# KiCad board beaglebone-ai-rev-a2.kicad_pcb (continued)
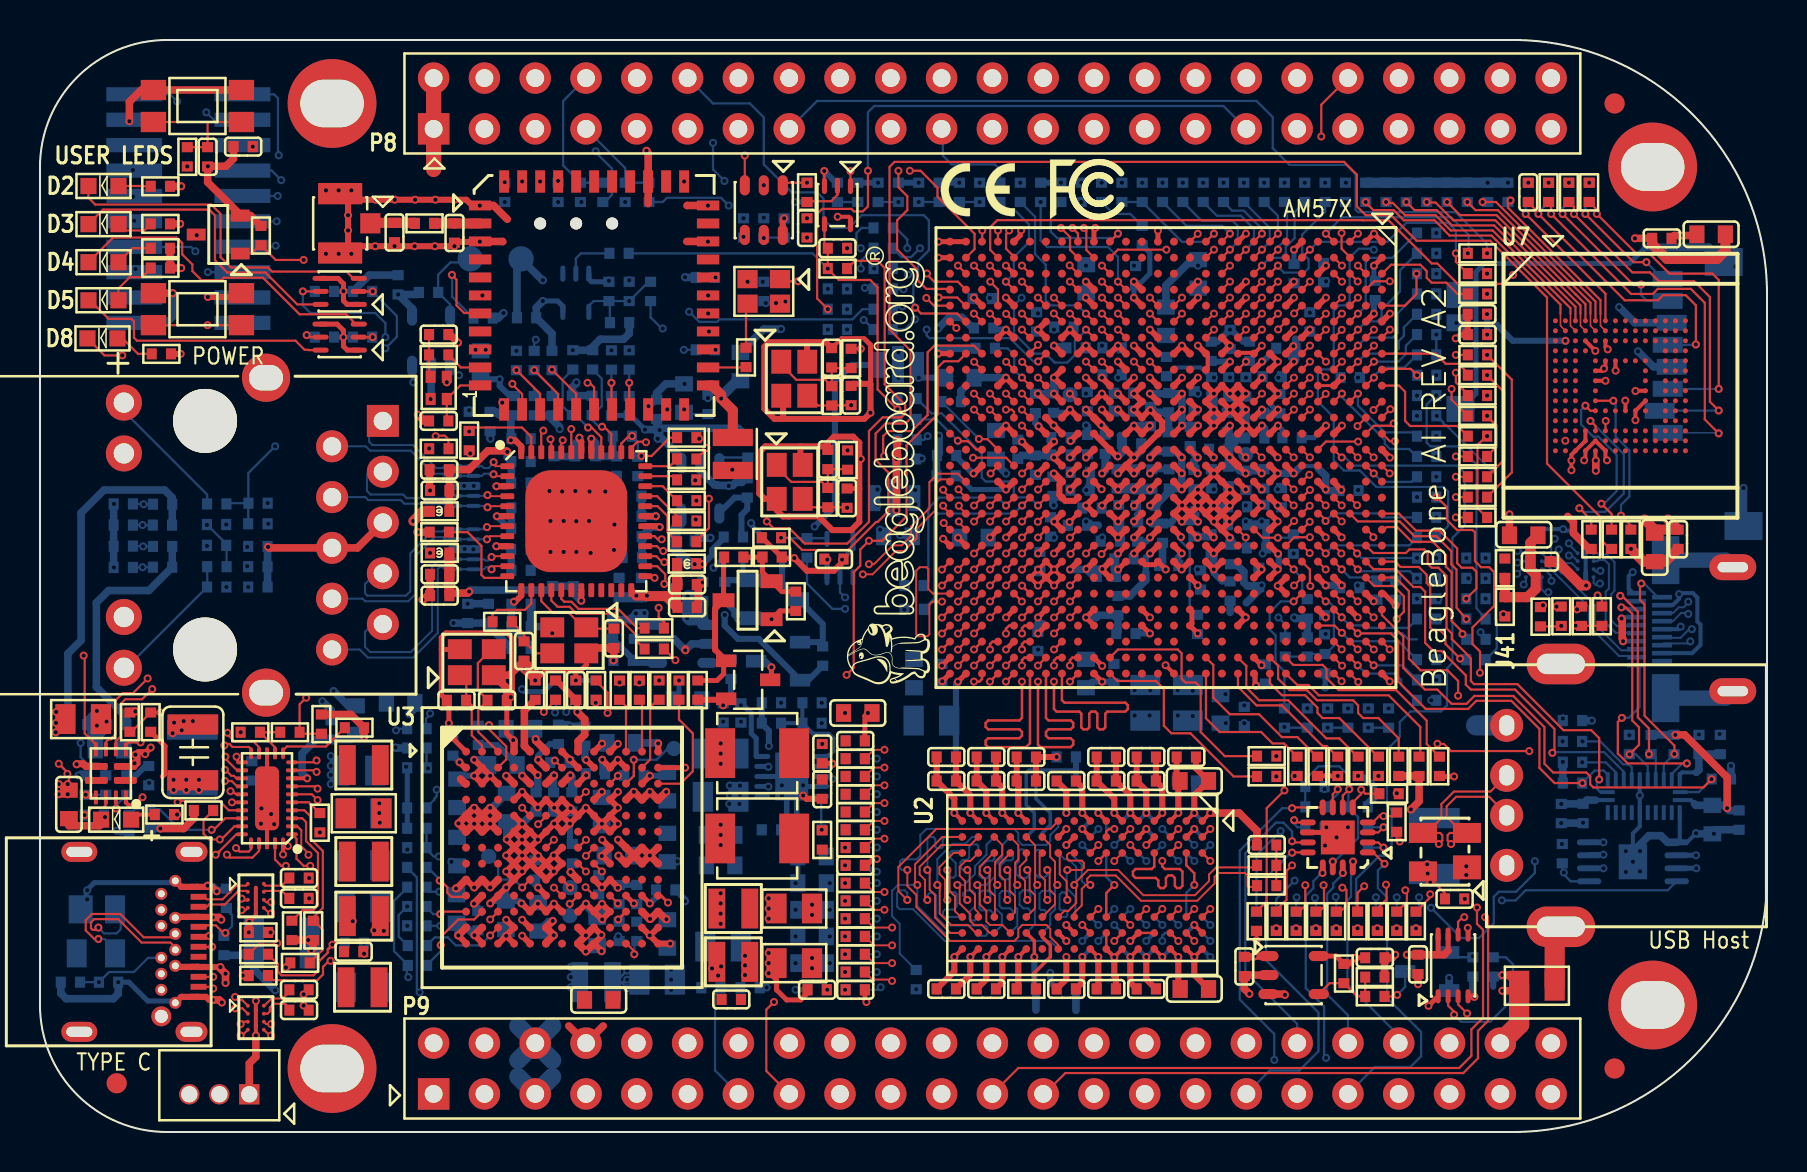
[diagram p0: board, top side]
## Placement (name value [footprint] x y rotation side) (continued)
R88  240R  [R0402]  49.32 17.55 180 bottom
R89  0R  [R0402]  43.36 35.64 0 bottom
R90  0R  [R0402]  43.36 36.68 0 bottom
R91  40.2K  [R0402]  37.8 26.54 270 top
R92  22R  [R0402]  42.16 45.21 0 bottom
R93  22R  [R0402]  42.16 44.2 0 bottom
R94  22R  [R0402]  42.16 43.18 0 bottom
R95  22R  [R0402]  42.16 42.16 0 bottom
R96  22R  [R0402]  42.16 41.15 0 bottom
R97  22R  [R0402]  42.16 40.13 0 bottom
R98  10K  [R0402]  43.36 34.62 0 bottom
R99  10K  [R0402]  43.33 33.66 0 bottom
R100  0R  [R0402]  45.57 36.53 180 bottom
R101  10K  [R0402]  43.7 27.32 0 bottom
R102  10K  [R0402]  43.71 26.14 0 bottom
R103  10K  [R0402]  29.84 10.03 90 bottom
R104  10K  [R0402]  29.7 17.83 0 bottom
R105  0R  [R0402#2]  23.11 25.51 0 top
R106  33R  [R0402#2]  32.34 30.56 180 top
R107  10K  [R0402]  28.96 11.87 90 bottom
R108  0R  [R0402]  28.98 22.1 90 top
R109  33R  [R0402#2]  32.34 31.57 180 top
R110  33R  [R0402#2]  32.34 32.61 180 top
R111  33R  [R0402#2]  32.34 33.66 180 top
R112  10K  [R0402]  47.27 39.19 0 bottom
R113  10K  [R0402]  27.94 12.36 270 bottom
R114  33R  [R0402#2]  32.34 29.51 180 top
R115  33R  [R0402#2]  32.34 34.72 180 top
R116  33R  [R0402#2]  30.72 25.2 180 top
R117  33R  [R0402#2]  30.72 24.16 180 top
R118  11K  [R0402#2]  19.97 30 180 top
R119  100K  [R0402]  28.64 25.15 90 bottom
R120  27.4K  [R0402]  29.16 23.58 0 bottom
R121  10K  [R0402]  26.8 22.1 90 bottom
R122  10K  [R0402]  34.56 23.14 270 bottom
R123  47R  [R0402#2]  40.77 14.22 0 top
R124  10K  [R0402]  25.78 22.1 270 bottom
R125  47R  [R0402]  40.77 18.67 180 bottom
R126  47R  [R0402]  40.77 14.22 180 bottom
R127  10K  [R0402]  35.39 34.21 90 bottom
R128  47R  [R0402]  40.77 15.11 180 bottom
R129  47R  [R0402#2]  40.77 8 0 top
R130  0R  [R0402]  21.92 19.84 270 bottom
R131  47R  [R0402]  40.77 12.45 180 bottom
R132  47R  [R0402#2]  40.77 16.89 0 top
R133  100K  [R0402]  34.67 29.76 180 bottom
R134  2.2K  [R0402]  50.04 46.99 270 bottom
R135  120K  [R0402]  35.37 32.21 270 bottom
R136  47R  [R0402#2]  40.77 15.11 0 top
R137  47R  [R0402#2]  40.77 16 0 top
R138  1K  [R0402]  8.84 27.25 180 bottom
R139  10K  [R0402]  43.81 7.62 90 bottom
R140  47R  [R0402]  40.77 7.11 180 bottom
R141  5.76K  [R0402]  21.46 35.53 90 bottom
R142  47R  [R0402#2]  40.77 11.56 0 top
R143  47R  [R0402]  40.77 8 180 bottom
R144  1K  [R0402]  8.84 31.41 180 bottom
R145  0R  [R0402]  18.87 8.33 180 bottom
R146  0R  [R0402]  18.87 9.32 180 bottom
R147  1K  [R0402]  18.85 10.31 180 bottom
R148  0R  [R0402]  18.85 11.28 180 bottom
R149  0R  [R0402]  18.85 12.24 180 bottom
R150  1K  [R0402]  18.85 15.19 180 bottom
R151  1K  [R0402]  18.85 14.22 180 bottom
R152  0R  [R0402]  18.85 13.23 0 bottom
R153  1K  [R0402]  8.85 28.27 180 bottom
R154  2.49K  [R0402]  21.46 34.58 90 top
R155  10K  [R0402]  18.85 18.21 180 bottom
R156  10K  [R0402]  18.85 19.2 180 bottom
R157  10K  [R0402]  18.85 16.21 180 bottom
R158  5.76K  [R0402]  8.83 29.34 180 bottom
R159  0R  [R0402]  18.85 20.17 180 bottom
R160  47R  [R0402#2]  40.77 12.45 0 top
R161  47R  [R0402]  40.77 11.56 180 bottom
R162  100K  [R0402]  45.97 46.99 90 bottom
R163  2.49K  [R0402]  8.83 30.38 180 bottom
R164  100K  [R0402]  41.91 46.99 90 bottom
R165  5.76K  [R0402]  10.9 31.45 0 bottom
R166  2.49K  [R0402]  10.9 30.42 180 bottom
R167  5.76K  [R0402]  29.13 34.8 180 bottom
R168  100K  [R0402]  64.26 46.99 90 bottom
R169  10K  [R0402]  63.37 24.26 90 bottom
R170  5.76K  [R0402]  27.64 38.62 90 bottom
R171  5.76K  [R0402]  26.64 38.62 90 bottom
R172  2.49K  [R0402]  29.9 33.28 90 bottom
R173  100K  [R0402]  69.34 22.61 0 bottom
R174  10K  [R0402]  66.85 27.1 90 bottom
R175  47K  [R0402]  73.41 46.99 90 bottom
R176  47K  [R0402]  71.37 46.99 90 bottom
R177  47K  [R0402]  69.34 46.99 90 bottom
R178  47K  [R0402]  67.31 46.99 90 bottom
R179  47K  [R0402]  66.29 46.99 90 bottom
R180  4.7K  [R0402]  69.34 25.65 180 bottom
R181  2.49K  [R0402]  27.61 36.34 270 bottom
R182  10K  [R0402]  67.79 27.1 90 bottom
R183  0R  [R0402]  74.42 46.99 270 bottom
R184  47K  [R0402]  72.39 46.99 90 bottom
R185  47K  [R0402]  70.36 46.99 90 bottom
R186  47K  [R0402]  68.33 46.99 90 bottom
R187  2.49K  [R0402]  26.62 36.34 270 bottom
R188  47K  [R0402]  77.57 29.64 270 top
R189  4.7K  [R0402]  69.34 26.67 0 bottom
R190  10K  [R0402]  28.98 40.47 0 bottom
R191  4.7K  [R0402#2]  13 8.46 180 top
R192  4.7K  [R0402]  63.37 26.16 90 bottom
R193  4.7K  [R0402]  69.34 28.7 180 bottom
R194  4.7K  [R0402]  69.34 27.69 180 bottom
R199  22R  [R0402]  69.34 30.73 180 bottom
R200  22R  [R0402]  69.34 29.72 180 bottom
R201  0R  [R0402]  79.55 29.64 90 top
R202  22R  [R0402]  65.28 46.99 90 bottom
R294  100R  [R0402#2]  19.94 38.86 0 top
R333  33R  [R0402]  23.83 38.58 90 bottom
R334  33R  [R0402]  24.71 38.58 90 bottom
R336  33R  [R0402]  28.58 38.61 90 bottom
R337  33R  [R0402]  29.46 38.61 90 bottom
R338  10K  [R0402]  22.16 40.7 0 bottom
R385  0R  [R0402#2]  19.23 45.44 0 top
R387  100K  [R0402]  16.13 39.75 0 bottom
R389  100K  [R0402]  14.22 39.75 180 bottom
R390  100K  [R0402]  16.13 42.04 0 bottom
R392  100K  [R0402]  14.22 42.04 180 bottom
R413  10K  [R0402]  25.91 46.99 270 bottom
R418  10K  [R0402]  75.44 46.99 90 top
R419  10K  [R0402]  76.45 46.99 90 top
R420  10K  [R0402]  77.47 46.99 90 top
R421  10K  [R0402]  75.44 46.99 90 bottom
R422  10K  [R0402]  76.45 46.99 90 bottom
R423  10K  [R0402]  77.47 46.99 90 bottom
R424  10K  [R0402]  39.88 42.16 0 bottom
R463  1K  [R0402]  10.9 27.25 180 bottom
R475  2.2K  [R0402#2]  19.94 34.17 180 top
R493  10K  [R0402]  55.12 46.99 270 bottom
R516  10K  [R0402]  76.12 13.92 270 bottom
R533  5.1K  [R0402]  9.32 11.68 270 bottom
R534  5.1K  [R0402]  1.52 7.49 0 bottom
R554  20K  [R0402]  6.12 30.35 0 bottom
R560  10K  [R0402]  23.24 46.99 270 bottom
R561  10K  [R0402]  24.71 36.32 270 bottom
R562  10K  [R0402]  25.6 36.32 270 bottom
R563  10K  [R0402]  25.6 38.58 90 bottom
R564  10K  [R0402]  28.58 36.32 270 bottom
R565  10K  [R0402]  29.46 36.32 270 bottom
R566  10K  [R0402]  63.75 16.26 180 bottom
R567  10K  [R0402]  65.91 14.22 180 bottom
R571  100K  [R0402]  63.75 15.24 180 bottom
R572  10K  [R0402]  65.91 15.24 180 bottom
R576  0R  [R0402]  35.31 38.74 90 top
R577  0R  [R0402]  68.81 10.54 90 top
R578  0R  [R0402]  68.81 10.54 90 bottom
R579  0R  [R0402]  67.84 10.54 90 bottom
R580  0R  [R0402]  67.84 10.54 90 top
R581  33R  [R0402]  69.34 21.59 0 bottom
R582  33R  [R0402]  69.34 23.62 0 bottom
R583  33R  [R0402]  49.02 46.99 90 bottom
R584  33R  [R0402]  69.34 31.75 0 bottom
R585  33R  [R0402]  48.01 46.99 90 bottom
R588  1K  [R0402]  37.21 42.04 90 bottom
R589  220R  [R0402]  27.81 22.1 270 top
R590  1K  [R0402#2]  6.02 43.21 180 top
R591  1K  [R0402#2]  6.02 44.2 180 top
R592  1K  [R0402#2]  6.02 45.42 180 top
R593  1K  [R0402#2]  6.02 47.29 180 top
R594  1K  [R0402#2]  6.22 15.88 180 top
R595  220R  [R0402]  7.37 48.77 270 top
R596  10K  [R0402]  39.88 46.99 270 bottom
R597  10K  [R0402]  53.09 46.99 270 bottom
R598  10K  [R0402]  43.94 46.99 270 bottom
R599  10K  [R0402]  52.07 46.99 270 bottom
R600  10K  [R0402]  57.15 46.99 270 bottom
R601  10K  [R0402]  58.17 46.99 270 bottom
R602  10K  [R0402]  59.18 46.99 270 bottom
R603  10K  [R0402]  60.2 46.99 270 bottom
R604  10K  [R0402]  61.21 46.99 270 bottom
R605  10K  [R0402]  63.25 46.99 270 bottom
R606  10K  [R0402]  62.23 46.99 270 bottom
R607  33R  [R0402]  71.81 26.67 180 bottom
R608  33R  [R0402]  71.81 24.64 180 bottom
R609  33R  [R0402]  69.34 32.77 180 bottom
R610  33R  [R0402]  33.27 39.12 0 bottom
R611  0R  [R0402]  33.4 36.39 270 bottom
R614  0R  [R0402]  69.34 44.96 180 bottom
R615  0R  [R0402]  39.88 41.15 0 bottom
R616  0R  [R0402]  69.34 43.94 180 bottom
R617  0R  [R0402]  71.81 27.69 180 bottom
R618  0R  [R0402]  71.81 28.7 180 bottom
R619  0R  [R0402]  69.34 41.91 180 bottom
R620  0R  [R0402]  69.34 38.86 180 bottom
R621  0R  [R0402]  69.34 39.88 180 bottom
R622  0R  [R0402]  69.34 33.78 180 bottom
R623  0R  [R0402]  69.34 40.89 180 bottom
R624  0R  [R0402]  69.34 37.85 180 bottom
R625  0R  [R0402]  69.34 34.8 180 bottom
R626  0R  [R0402]  69.34 35.81 180 bottom
R627  0R  [R0402]  71.81 23.62 180 bottom
R628  0R  [R0402]  69.34 42.93 180 bottom
R629  0R  [R0402]  39.88 40.13 0 bottom
R630  0R  [R0402]  71.81 25.65 180 bottom
R631  0R  [R0402]  69.34 36.83 180 bottom
R632  0R  [R0402]  61.82 10.54 90 bottom
R633  0R  [R0402]  61.82 10.54 90 top
R634  0R  [R0402]  63.8 10.54 90 top
R635  0R  [R0402]  63.8 10.54 90 bottom
R636  0R  [R0402]  60.83 10.54 90 top
R637  0R  [R0402]  60.83 10.54 90 bottom
R638  0R  [R0402]  62.81 10.54 90 bottom
R639  0R  [R0402]  62.81 10.54 90 top
R640  RL0805JR-070R1L  [R0805]  2.16 20.65 180 top
R641  0R  [R0402]  30.53 42.04 270 bottom
R642  0R  [R0402]  62.27 24.26 270 bottom
R643  0R  [R0402]  65.89 10.54 90 top
R644  0R  [R0402]  65.89 10.54 90 bottom
R645  0R  [R0402]  66.88 10.54 90 bottom
R646  0R  [R0402]  66.88 10.54 90 top
R652  0R  [R0402]  64.82 10.54 90 top
R653  0R  [R0402]  64.82 10.54 90 bottom
R656  100K  [R0402]  65.2 7.92 270 top
R657  44.2K  [R0402#2]  66.75 7.75 180 top
R658  36.5K  [R0402#2]  66.75 6.78 0 top
R659  100K  [R0402]  71.65 8.25 90 bottom
R661  10K  [R0402]  33.27 42.74 0 bottom
R662  0R  [R0402#2]  71.88 31.75 0 top
R663  0R  [R0402#2]  71.88 38.86 0 top
R664  0R  [R0402#2]  71.88 30.73 0 top
R665  0R  [R0402#2]  71.88 34.8 0 top
R666  0R  [R0402#2]  71.88 32.77 0 top
R667  0R  [R0402#2]  71.88 37.85 0 top
R668  0R  [R0402]  75.03 25.77 90 top
R669  0R  [R0402]  76.07 25.79 90 top
R670  1K  [R0402#2]  61.34 18.8 0 top
R671  1K  [R0402#2]  61.34 17.78 180 top
R672  1K  [R0402]  69.98 18.29 270 top
R673  1K  [R0402]  66.93 18.29 270 top
R674  1K  [R0402]  64.9 18.29 270 top
R675  1K  [R0402]  63.88 18.29 270 top
R676  1K  [R0402]  68.96 18.29 90 top
R677  1K  [R0402]  67.94 18.29 90 top
R678  1K  [R0402]  65.91 18.29 90 top
R679  1K  [R0402]  62.86 18.29 90 top
R680  0R  [R0402]  28.96 43.94 0 bottom
R681  0R  [R0402#2]  71.88 43.94 0 top
R682  0R  [R0402#2]  71.88 41.91 0 top
R683  0R  [R0402#2]  71.88 35.81 0 top
R684  0R  [R0402#2]  71.88 33.78 0 top
R685  0R  [R0402#2]  71.88 36.83 0 top
R686  0R  [R0402#2]  71.88 42.93 0 top
R687  0R  [R0402]  78.1 25.79 90 top
R688  0R  [R0402]  77.09 25.79 90 top
R689  100K  [R0402]  55.12 44.83 270 bottom
R690  10K  [R0402]  42.93 46.99 270 bottom
R691  10K  [R0402]  46.99 46.99 270 bottom
R692  100K  [R0402]  40.89 46.99 90 bottom
R693  100K  [R0402]  44.96 46.99 90 bottom
R694  0R  [R0402]  67.44 20.7 90 bottom
R695  0R  [R0402]  66.42 20.7 90 bottom
R696  0R  [R0402]  64.39 20.7 90 bottom
R697  0R  [R0402]  65.41 20.7 90 bottom
R698  0R  [R0402]  29.46 42.04 270 bottom
R699  RL0805JR-070R1L  [R0805]  74.85 7.32 180 top
R700  100K  [R0402]  11.05 44.83 270 top
R701  1K  [R0402#2]  6.07 38.91 180 top
R702  0R  [R0402]  73.25 26.26 270 top
R703  0R  [R0402]  73.25 28.19 90 top
R706  0R  [R0402]  67.84 15.49 270 top
R707  0R  [R0402#2]  67.46 16.92 180 top
R708  100K  [R0402]  72.67 8.25 90 bottom
REF**  -  [CE-Logo]  47 47.31 0 top
REF**#2  -  [FCC-Logo_3.2x3.7mm_SilkScreen]  52.08 47.18 0 top
S1  TACTICLE SWITCH  [SWS4B46X28]  7.87 51.31 180 top
S3  TACTICLE SWITCH  [SWS4B46X28]  7.87 41.15 180 top
T1  SI1902CDL-T1-GE3  [SOT363_6]  14.99 39.75 180 top
T2  SI1902CDL-T1-GE3  [SOT363_6]  14.99 42.04 180 top
TP1  NI  [TP60C_SMD]  21.52 43.66 90 bottom
TP2  NI  [TP30]  31.7 19.18 270 bottom
TP3  NI  [TP30]  26.49 10.82 270 bottom
TP4  NI  [TP30]  51.51 36.87 90 bottom
TP5  NI  [TP60C_SMD]  24.06 43.66 90 bottom
TP7  NI  [TP30]  22.44 13.78 270 bottom
TP8  NI  [TP30]  60.3 33.88 90 bottom
TP11  NI  [TP30]  26.51 12.22 0 bottom
U1  TPS51200DRCR  [VSON50P300X300X100-11N]  37.59 17.78 0 bottom
U2  D2516EC4BXGGB-U  [BGA96G]  52.12 12.35 90 top
U3  TPS6590379ZWSR  [BGA169C80P13X13_1200X1200X140]  26.11 14.22 0 top
U4  AM5729BABCXEAR  [BGA760C80P28X28_2300X2300X305]  56.3 33.73 90 top
U5  TPD12S016RKTR  [UQFN24_0D4_4X2X0_55MM]  80.2 16.8 90 bottom
U6  SN74LVC1G08DCKR  [SC70_5]  39.88 46.36 90 top
U7  EMMC16G-TB29-PZ90  [BGA153P5]  79.03 37.32 0 top
U8  SN74LVC1G07DCKR  [SC70_5]  40 28.7 270 bottom
U9  24LC32AT-I/OT  [SOT23_5#2]  19.56 39.57 270 bottom
U10  TPS3808G33DBVR  [SOT23_6]  36.19 46.1 90 top
U11  D2516EC4BXGGB-U  [BGA96G]  52.12 12.35 270 bottom
U12  TPS2121RUX  [VQFN12_0D5_2X2_5X1MM]  3.54 17.93 180 top
U13  HD3SS3220RNHR  [WQFN30_0D4_4_5X2_5X0_8MM]  11.35 16.69 180 top
U14  DP83867CRRGZR  [QFN48_0D5_7X7MM]  26.82 30.55 0 top
U15  TLV75801PDBVR  [SOT23_5#2]  32.12 24.41 0 bottom
U16  TLV75801PDBVR  [SOT23_5#2]  33.02 32.19 90 bottom
U17  TPD4E05U06DQAR  [USON10_0D5_2D5X1X0D5MM]  21.22 32.31 90 bottom
U18  TPD4E05U06DQAR  [USON10_0D5_2D5X1X0D5MM]  21.22 29.14 90 bottom
U37  AW-CM256SM  [WLBT90P1200X1200X160-47N]  27.71 41.83 0 top
U40  TLV75801PDBVR  [SOT23_5]  62.69 7.85 0 top
U46  SN74LVC2G241DCUT  [VSSOP8CR]  70.66 8.33 270 top
U48  TPS2051BDGN  [SOP8_1FH]  79.65 13.51 0 bottom
U78  STMPE811QTR  [QFN50P300X300X100-17N]  64.9 14.73 180 top
U88  PCMF2USB30Z  [WLCSP10C40P3X4_117X157X60N]  10.79 11.81 0 top
U89  PCMF2USB30Z  [WLCSP10C40P3X4_117X157X60N]  10.79 5.72 0 top
U90  SN74LVC1G07DCKR  [SC70_5]  26.8 41.97 90 bottom
U91  PCMF2HDMI2S  [WLCSP10C40P3X4_117X157X60N#2]  77.29 28.35 0 bottom
U92  PCMF2HDMI2S  [WLCSP10C40P3X4_117X157X60N#2]  74.7 28.35 0 bottom
X4  37.4MHZ  [X4S16X12]  19.94 37.21 270 top
X6  16.384MHZ  [OSCCC250X200X60-4N#2]  21.84 23.5 0 top
X7  20MHZ  [OSCCC250X200X60-4N]  37.49 32.51 90 top
X8  22.5792MHZ  [OSCCC250X200X60-4N]  37.72 37.67 90 top
X9  25MHZ CL=18PF  [OSCCC250X200X60-4N#2]  26.47 24.59 180 top

## Library data of the parts
C1 C462 = -: Description: CAP,1NF,+/-10%,X7R,50V,SMD0402; Manufacturer: Murata; Manufacturer P/N: GRM155R71H102KA01D; Rating: 50V,X7R
C2 C3 C464 = -: Description: CAP,4.7UF,+/-10%,X5R,10V,SMD0603; Manufacturer: Murata; Manufacturer P/N: GRM188R61A475KE15D; Rating: 10V,X5R
C4 C7 C37 C89-C91 C113 C116 C120 C124 C130 C161 C170 C180 C198 C208 C291 C292 C295 C300 C461 = -: Description: CAP,10UF,+/-10%,X5R,10V,SMD0603; Manufacturer: Murata; Manufacturer P/N: GRM188R61A106KE69D; Rating: 10V,X5R
C5 C6 C8 C20 C35 C41 C42 C49 C60 C61 C69 C80 C81 C87 C88 C98 C99 C123 C143 C144 C147 C149 C153 C159 C163 C184 C225 C226 C267 C281 C285 C286 C320 C321 C325 C327 C335 C336 C353 C443-C446 C466 C472 C491 C492 C496 = -: Description: CAP,100NF,+/-10%,X7R,16V,SMD0402; Manufacturer: Murata; Manufacturer P/N: GRM155R71C104KA88D; Rating: 16V,X7R
C9-C11 C17-C19 C22-C25 C36 C40 C79 C95 C97 C100-C104 C118 C119 C122 C125 C131 C136 C138-C141 C145 C146 C148 C154 C155 C158 C162 C165 C166 C171 C174 C175 C178 C181 C182 C185-C187 C189 C190 C193 C197 C199 C201-C203 C205-C207 C209-C213 C218 C220-C224 C227 C230-C238 C242 C245 C255-C259 C261 C262 C269-C272 C299 = -: Description: CAP,10NF,+/-10%,X7R,16V,SMD0402; Manufacturer: MURATA; Manufacturer P/N: GRM155R71C103KA01D; Rating: X7R,16V
C12 C26 C93 C94 C105 C111 C192 C263-C266 C293 C294 C297 C298 = -: Description: CAP,47UF,+/-20%,X5R,6.3V,SMD0805; Manufacturer: MURATA; Manufacturer P/N: GRM21BR60J476ME15L; Rating: 6.3V,X5R
C13-C16 = -: Description: CAP,24pF,+/-5%,C0G,50V,SMD0402; Manufacturer: Murata; Manufacturer P/N: GRM1555C1H240JA01D; Rating: 50V,C0G
C21 C126 C164 C169 C172 C278 C282 = -: Description: CAP,2.2UF,+/-10%,X5R,16V,SMD0603; Manufacturer: Murata; Manufacturer P/N: GRM188R61C225KE15D; Rating: 16V,X5R
C27 C28 C34 C48 C53 C55 C62 C64 C70 C72 C74 C76 C457 C497 C498 = -: Comment: 100nF; Embest PN: 1004001100047; Manufacturer: YAGEO; Manufacturer Part Number: CC0402KRX7R7BB104; PN: 302010004; Part Type: Ceramic Capacitor; Rating: 16V,X7R; Temperature: -55C to 125C
C29 = -: Comment: 47uF; Embest PN: 1004001100185; Manufacturer: Samsung; Manufacturer Part Number: CL32B476KPJNNWE; PN: 302011624; Part Type: Ceramic Capacitor; Rating: 10V,X7R; Temperature: -55C to 125C
C30 C33 C456 = -: Comment: 4.7uF; Embest PN: 1004001100127; Manufacturer: YAGEO; Manufacturer Part Number: CC0603KRX5R7BB475; PN: 302010408; Part Type: Ceramic Capacitor; Rating: 16V,X5R; Temperature: -55C to 85C
C31 C32 = -: Comment: 220pF; Embest PN: 302010013; Manufacturer: YAGEO; Manufacturer Part Number: CC0402JRNPO9BN221; PN: 302010013; Part Type: Ceramic; Rating: 50V,NPO; Temperature: -55C to 125C
C38 C43 C117 C121 C133 C134 C151 C152 C157 = -: Description: CAP,2.2UF,+/-20%,X5R,6.3V,SMD0402; Manufacturer: Murata; Manufacturer P/N: GRM155R60J225ME15D; Rating: 6.3V,X5R
C39 C96 C188 = -: Description: CAP,22UF,+/-20%,X5R,6.3V,SMD0603; Manufacturer: MURATA; Manufacturer P/N: GRM188R60J226MEA0D; Rating: 6.3V,X5R
C44 C47 C50 C54 C59 C63 C67 C71 C73 C75 C77 C78 C82 C83 C480 C495 = -: Comment: 1uF; Embest PN: 1004001100057; Manufacturer: YAGEO; Manufacturer Part Number: CC0402KRX5R6BB105; PN: 302010040; Part Type: Ceramic Capacitor; Rating: 10V,X5R; Temperature: -55C to 85C
C45 C56 C65 = -: Embest PN: 1004001100345; Manufacturer: YAGEO; Manufacturer Part Number: CC0402MRX5R5BB106; PN: 302010053; Part Type: Ceramic Capacitor; Rating: 6.3V,X5R; Temperature: -55C to 85C
C46 C57 C66 C84 C483 = -: Comment: 10nF; Embest PN: 1004001100039; Manufacturer: YAGEO; Manufacturer Part Number: CC0402KRX7R9BB103; PN: 302010006; Part Type: Ceramic Capacitor; Rating: 50V,X7R; Temperature: -55C to 125C
C51 C52 C68 C463 = -: Description: CAP,15pF,+/-2%,C0G,50V,SMD0402; Manufacturer: Murata; Manufacturer P/N: GRM1555C1H150GA01D; Rating: 50V,C0G
C58 = -: Description: CAP,22UF,+/-20%,x5R,10V,SMD0603; Manufacturer: Murata; Manufacturer P/N: GRM188R61A226ME15D; Rating: 10V,X5R
C85 C137 = -: ASSY: NI; Comment: 1uF; Embest PN: 1004001100057; Manufacturer: YAGEO; Manufacturer Part Number: CC0402KRX5R6BB105; PN: 302010040; Part Type: Ceramic Capacitor; Rating: 10V,X5R; Temperature: -55C to 85C
C86 C142 = -: ASSY: NI; Comment: 100nF; Embest PN: 1004001100047; Manufacturer: YAGEO; Manufacturer Part Number: CC0402KRX7R7BB104; PN: 302010004; Part Type: Ceramic Capacitor; Rating: 16V,X7R; Temperature: -55C to 125C
C92 = -: Description: CAP,10PF,+/-5%,C0G,50V,SMD0402; Manufacturer: MURATA; Manufacturer P/N: GRM1555C1H100JA01D; Rating: 50V,C0G
C106-C109 C179 C204 C214 C254 C260 C273-C277 C279 C283 C489 C490 = -: Description: CAP,1UF,+/-10%,X5R,10V,SMD0402; Manufacturer: Murata; Manufacturer P/N: GRM155R61A105KE15D; Rating: 10V,X5R
C110 C112 C168 C176 C177 C183 C200 C215 C217 C296 = -: Description: CAP,10UF,+/-20%,X5R,6.3V,SMD0402; Manufacturer: Yageo; Manufacturer P/N: CC0402MRX5R5BB106; Rating: X5R,6.3V
C114 C115 C127 C128 C132 C156 C194-C196 = -: Description: CAP,4.7UF,+/-10%,X5R,16V,SMD0603; Manufacturer: Murata; Manufacturer P/N: GRM188R61C475KAAJD; Rating: 16V,X5R
C129 = -: ASSY: NI; Embest PN: 1004001100345; Manufacturer: YAGEO; Manufacturer Part Number: CC0402MRX5R5BB106; PN: 302010053; Part Type: Ceramic Capacitor; Rating: 6.3V,X5R; Temperature: -55C to 85C
C135 = -: ASSY: NI; Comment: 10nF; Embest PN: 1004001100039; Manufacturer: YAGEO; Manufacturer Part Number: CC0402KRX7R9BB103; PN: 302010006; Part Type: Ceramic Capacitor; Rating: 50V,X7R; Temperature: -55C to 125C
C216 = -: Description: CAP,1UF,+/-10%,X5R,16V,SMD0402; Manufacturer: Murata; Manufacturer P/N: GRM155R61C105KA12D; Rating: 16V,X5R
C268 = -: Description: Cap  Ceramic 1.5pF, +-0.25pF, 50V, C0G, 0402; Manufacturer: Murata; Manufacturer P/N: GRM1555C1H1R5CA01D; Rating: 50V,C0G
C326 = -: Description: CAP,47UF,+/-20%,X5R,10V,SMD1210; Manufacturer: MURATA; Manufacturer P/N: GRM32ER61A476ME20; Rating: 10V,X5R
C334 C337 = -: Description: CAP,22PF,+/-5%,C0G,50V,SMD0402; Manufacturer: Murata; Manufacturer P/N: GRM1555C1H220JA01D; Rating: 50V,C0G
C473 = -: Description: CAP,5PF,+/-0.25PF,C0G,50V,SMD0402; Manufacturer: Murata; Manufacturer P/N: GRM1555C1H5R0CA01D; Rating: 50V,C0G
C481 C482 = -: Comment: 100uF; Embest PN: 1004001100198; Manufacturer: YAGEO; Manufacturer Part Number: CC1210MKX5R6BB107; PN: 302011571; Part Type: Ceramic Capacitor; Rating: 10V,X5R; Temperature: -55C to 85C
C488 = -: Description: CAP,1.0PF,+/-0.1PF,50V,SMD0402,LowESR,High-Q type; Manufacturer: Murata; Manufacturer P/N: GJM1555C1H1R0BB01D; Rating: 50V,NP0
D1-D5 D8 = -: Description: LED,Super Yellow Green,Water Clear,20mA,SMD0603; Manufacturer: Everlight; Manufacturer P/N: 19-217/G7C-AN1P2/3T; Rating: 20mA
D6 D7 = -: Description: IC,Low-Voltage Adjustable Precision Shunt Regulators; Manufacturer: TI
D46 D47 = -: Description: Diode,TVS,ESD0402-V05L, 5V, 0.1pF,0402,SMD; Manufacturer: TOPS; Rating: 5V
D78 D79 = -: Description: Diode,TVS,PRTR5V0U2X, 5.5V,SOT-143B,SMD; Manufacturer: NXP
FB1 = -: Embest PN: 1005005100012; Manufacturer: Murata; Manufacturer Part Number: BLM18PG181SN1D; PN: 303030701; Part Type: Ferrite Bead; Rating: 1.5A; Temperature: -55C to 125C
FB2 FB10 = -: ASSY: NI; Comment: 120ohm; Embest PN: 1005005100058; Manufacturer: Murata; Manufacturer Part Number: BLM15PD121SN1D; PN: 303030040; Part Type: Ferrite Bead; Rating: 1.3A; Temperature: -55C to 125C
FB3 FB4 FB7-FB9 = -: Comment: 120ohm; Embest PN: 1005005100058; Manufacturer: Murata; Manufacturer Part Number: BLM15PD121SN1D; PN: 303030040; Part Type: Ferrite Bead; Rating: 1.3A; Temperature: -55C to 125C
FB5 = -: Description: Ferrite Bead,120ohm@100MHz,+/-25%,1300mA,90mohm,SMD0402; Manufacturer: Murata; Manufacturer P/N: BLM15PD121SN1D; Rating: 1300mA
FB6 = -: Description: Ferrite Bead,180ohm@100MHz,+/-25%,1500mA,0.09ohm,SMD0603; Manufacturer: Murata; Manufacturer P/N: BLM18PG181SN1D; Rating: 1500mA
FL1 FL2 = -: Description: CAP Feedthru 0.47UF 20% 16V 0805; Manufacturer: Murata
ID1-ID3 = -: Description: MARK  point,DIA 40mil
J33 = -: Description: Connector,Coaxial Connector,U.FL-R-SMT-1,6GHZ,SMD,TR  U.FL-R-SMT-1(10) Packing for2,500 pcs/reel or U.FL-R-SMT-1(40) Packing for4,000 pcs/reel; MANUFACTURER: HIROSE; Manufacturer P/N: Connector,Coaxial Connector,U.FL-R-SMT-1,6GHZ,SMD,TR  U.FL-R-SMT-1(10) Packing for2,500 pcs/reel or U.FL-R-SMT-1(40) Packing for4,000 pcs/reel
J37 = -: Description: Connector,RJ45 Jack with integrated magnetics and Y/G/Y Three leds,Right Angle,1000M,Gold Flash 6u,Black,21.35x15.95x13.50MM,DIP; MANUFACTURER: MTCONN; Manufacturer P/N: Connector,RJ45 Jack with integrated magnetics and Y/G/Y Three leds,Right Angle,1000M,Gold Flash 6u,Black,21.35x15.95x13.50MM,DIP
J41 = -: Description: Connector,USB A port,4 Position,female,Right Angle,30u GXT Contact,black,DIP; MANUFACTURER: Foxcon; Manufacturer P/N: Connector,USB A port,4 Position,female,Right Angle,30u GXT Contact,black,DIP
J42 = -: Description: Connector,USB type C port,female,flat insert,SMT/THT;; MANUFACTURER: MTCONN; Manufacturer P/N: Connector,USB type C port,female,flat insert,SMT/THT;
J90 = -: Description: Card Connector MCTF-0606 Connector,MicroSD Card CONN with detect switch,Gold Flash 1u,Black,SMD MTCONN Hamster AM572x; MANUFACTURER: HSF; Manufacturer P/N: Card Connector MCTF-0606 Connector,MicroSD Card CONN with detect switch,Gold Flash 1u,Black,SMD MTCONN Hamster AM572x
J91 = -: Description: Connector,HDMI Receptacle, Type D, Right Angle,DIP+ SMT leg; MANUFACTURER: FCI; Manufacturer P/N: Connector,HDMI Receptacle, Type D, Right Angle,DIP+ SMT leg
J92 = -: Description: Connector, Wire-To-Board Top Entry, ZH Series, Through Hole, Header, 3PIN, 1.5 mm, Tin Plated Contacts; MANUFACTURER: JST; Manufacturer P/N: Connector, Wire-To-Board Top Entry, ZH Series, Through Hole, Header, 3PIN, 1.5 mm, Tin Plated Contacts
L1 L2 = -: Description: Power Inductor,Magnetic shielded,1uH,idc4.5A,27mohm,4.3x4.0x2.0mm,20%,SMD,TR; MANUFACTURER: GAUSSTEK; Manufacturer: SP04O203M1U; Manufacturer P/N: Power Inductor,Magnetic shielded,1uH,idc4.5A,27mohm,4.3x4.0x2.0mm,20%,SMD,TR
L16-L22 = -: Description: SMD Power Inductors 1uH +/-20%;-25C to +125C SATURATION CURRENT 3.1A;DCR 85m;Size:2.5*2.0*1.05mm; MANUFACTURER: Gausstek; Manufacturer: DI20A102M1U; Manufacturer P/N: SMD Power Inductors 1uH +/-20%;-25C to +125C SATURATION CURRENT 3.1A;DCR 85m;Size:2.5*2.0*1.05mm
L30 = -: Description: Power Inductor,Magnetic shielded,4.7uH,1.05A,0.338ohm,2.5x2.0x1.2mm,SMD; MANUFACTURER: TDK; Manufacturer: VLS252012ET-4R7M; Manufacturer P/N: Power Inductor,Magnetic shielded,4.7uH,1.05A,0.338ohm,2.5x2.0x1.2mm,SMD
MH1-MH4 = -: Description: Plated hole,Circle,DAI 4.445MM ,VIA 3.175MM; MANUFACTURER: Plated hole,Circle,DAI 4.445MM ,VIA 3.175MM
OSC1 = -: Description: Oscillator,1651-L3273-BTBQYA,32.768KHz,+/-30ppm,3.3V,2520-4 pads,SMD; Manufacturer: INTERQUIP; Manufacturer P/N: 1651-L3273-BTBQYA; Rating: 30PPM; Field7: 1
P2 = -: Description: Dual Line Header 10x2pin Tin; Manufacturer: Dual Line Header 10x2pin Tin; Manufacturer P/N: Dual Line Header 10x2pin Tin; Field7: 19; Field8: 2; Field9: 20; Field10: 1
P8 P9 = -: Description: Connector,Pin Socket,Straight,Female,2x23Pin,2.54MM pitch,8.5,3.0,Gold Flash 1u, black,DIP; Manufacturer: MTCONN; Manufacturer P/N: JT254F-D180-850-223-001-G
Q1 Q4 = -: Description: Transistor,PNP,MMBT2907A-7-F,60V,600MA,SOT-23,SMD; Manufacturer: Diodes; Manufacturer P/N: MMBT2907A-7-F; Rating: 600mA
Q17 = -: Description: Mosfet,N-Channel,2N7002,60V,115mA,SOT-23,SMD; Manufacturer: FAIRCHILD
Q18 = -: Description: Mosfet,N-Channel,BSS138LT1G,50V,0.2A,SOT-23,SMD; Manufacturer: ON
R1 R2 R8 R13 R86 R87 R338 R413 R418-R424 R516 R560-R565 = -: Description: RES,10K,+/-1%,1/16W,SMD0402; Manufacturer: YAGEO; Manufacturer P/N: RC0402FR-0710KL; Rating: 1%
R3 R38 R44 R162 R164 R168 R173 R387 R389 R390 R392 R571 R689 R692 R693 R700 = -: Description: RES,100K,+/-5%,1/16W,SMD0402; Manufacturer: YAGEO; Manufacturer P/N: RC0402JR-07100KL; Rating: 5%
R4 R18-R20 R24 R27 R54 R74 R82 R98 R99 R101-R104 R107 R112 R113 R121 R124 R139 R155-R157 R169 R174-R179 R182 R184-R186 R188 R493 R566 R567 R572 R596-R606 R661 R690 R691 = -: Description: RES,10K,+/-5%,1/16W,SMD0402; Manufacturer: YAGEO; Manufacturer P/N: RC0402JR-0710KL; Rating: 5%
R5-R7 R10 R14 R15 R23 R28 R55 R56 R67 R68 R70 R89 R90 R100 R105 R108 R130 R145 R146 R148 R149 R152 R159 R183 R201 R385 R576-R580 R611 R614-R639 R641-R646 R652 R653 R662-R669 R680-R688 R694-R697 R702 R703 R706 R707 = -: Description: RES,0R,+/-5%,1/16W,SMD0402; Manufacturer: YAGEO; Manufacturer P/N: RC0402JR-070RL; Rating: 5%
R9 R85 = -: Description: RES,499R,+/-1%,1/16W,SMD0402; Manufacturer: YAGEO; Manufacturer P/N: RC0402FR-07499RL; Rating: 1%
R11 R12 = -: Description: RES,1M,+/-5%,1/16W,SMD0402; Manufacturer: YAGEO; Manufacturer P/N: RC0402JR-071ML; Rating: 5%
R16 R41 R59 R61 R66 = -: ASSY: NI; Embest PN: 1003001100071; Manufacturer: YAGEO; Manufacturer Part Number: RC0402FR-0710KL; PN: 301010047; Part Type: Thick Film Resistor; Rating: 1%; Temperature: -55C to 155C
R17 R91 = -: Description: RES,40K2,+/-1%,1/16W,SMD0402; Manufacturer: YAGEO; Manufacturer P/N: RC0402FR-0740K2L; Rating: 1%
R22 R88 = -: Description: RES,240R,+/-1%,1/16W,SMD0402; Manufacturer: YAGEO; Manufacturer P/N: RC0402FR-07240RL; Rating: 1%
R25 R30 R31 R33 R34 R36 R37 R39 R40 R42 R43 R123 R125 R126 R128 R129 R131 R132 R136 R137 R140 R142 R143 R160 R161 = -: Description: RES,47R,+/-1%,1/16W,SMD0402; Manufacturer: YAGEO; Manufacturer P/N: RC0402FR-0747RL; Rating: 1%
R26 R29 = -: Description: RES,49R9,+/-1%,1/16W,SMD0402; Manufacturer: YAGEO; Manufacturer P/N: RC0402FR-0749R9L; Rating: 1%
R32 = -: Embest PN: 1003001101493; Manufacturer: YAGEO; Manufacturer Part Number: RC0402FR-07909KL; PN: 301013073; Part Type: Thick Film Resistor; Rating: 1%; Temperature: -55C to 155C
R35 = -: ASSY: NI; Embest PN: 1003001100130; Manufacturer: YAGEO; Manufacturer Part Number: RC0402JR-07200KL; PN: 301012017; Part Type: Thick Film Resistor; Rating: 5%; Temperature: -55C to 155C
R45 R51-R53 = -: Embest PN: 1003001100130; Manufacturer: YAGEO; Manufacturer Part Number: RC0402JR-07200KL; PN: 301012017; Part Type: Thick Film Resistor; Rating: 5%; Temperature: -55C to 155C
R46 R48-R50 R60 R69 R77 R81 = -: Embest PN: 1003001100001; Manufacturer: YAGEO; Manufacturer Part Number: RC0402JR-070RL; PN: 301010000; Part Type: Thick Film Resistor; Rating: 5%; Temperature: -55C to 155C
R47 R698 = -: ASSY: NI; Embest PN: 1003001100001; Manufacturer: YAGEO; Manufacturer Part Number: RC0402JR-070RL; PN: 301010000; Part Type: Thick Film Resistor; Rating: 5%; Temperature: -55C to 155C
R57 = -: Description: RES,18K,+/-1%,1/16W,SMD0402; Manufacturer: YAGEO; Manufacturer P/N: RC0402FR-0718KL; Rating: 1%
R58 = -: Description: RES,20K,+/-1%,1/16W,SMD0402; Manufacturer: YAGEO; Manufacturer P/N: RC0402FR-0720KL; Rating: 1%
R62-R65 R191 = -: ASSY: NI; Embest PN: 1003001100057; Manufacturer: YAGEO; Manufacturer Part Number: RC0402FR-074K7L; PN: 301010633; Part Type: Thick Film Resistor; Rating: 1%; Temperature: -55C to 155C
R71 = -: Embest PN: 301011848; Manufacturer: YAGEO; Manufacturer Part Number: RC0402FR-0713KL; PN: 301011848; Part Type: Thick Film Resistor; Rating: 1%; Temperature: -55C to 155C
R72 R73 R78 = -: Embest PN: 301010633; Manufacturer: YAGEO; Manufacturer Part Number: RC0402FR-074K7L; PN: 301010633; Part Type: Thick Film Resistor; Rating: 1%; Temperature: -55C to 155C
R75 = -: ASSY: NI; Embest PN: 301010568; Manufacturer: YAGEO; Manufacturer Part Number: RC0402FR-0711KL; PN: 301010568; Part Type: Thick Film Resistor; Rating: 1%; Temperature: -55C to 155C
R76 R554 = -: Embest PN: 301010072; Manufacturer: YAGEO; Manufacturer Part Number: RC0402FR-0720KL; PN: 301010072; Part Type: Thick Film Resistor; Rating: 1%; Temperature: -55C to 155C
